# Allegro board HB1A-AAFM.brd (continued)
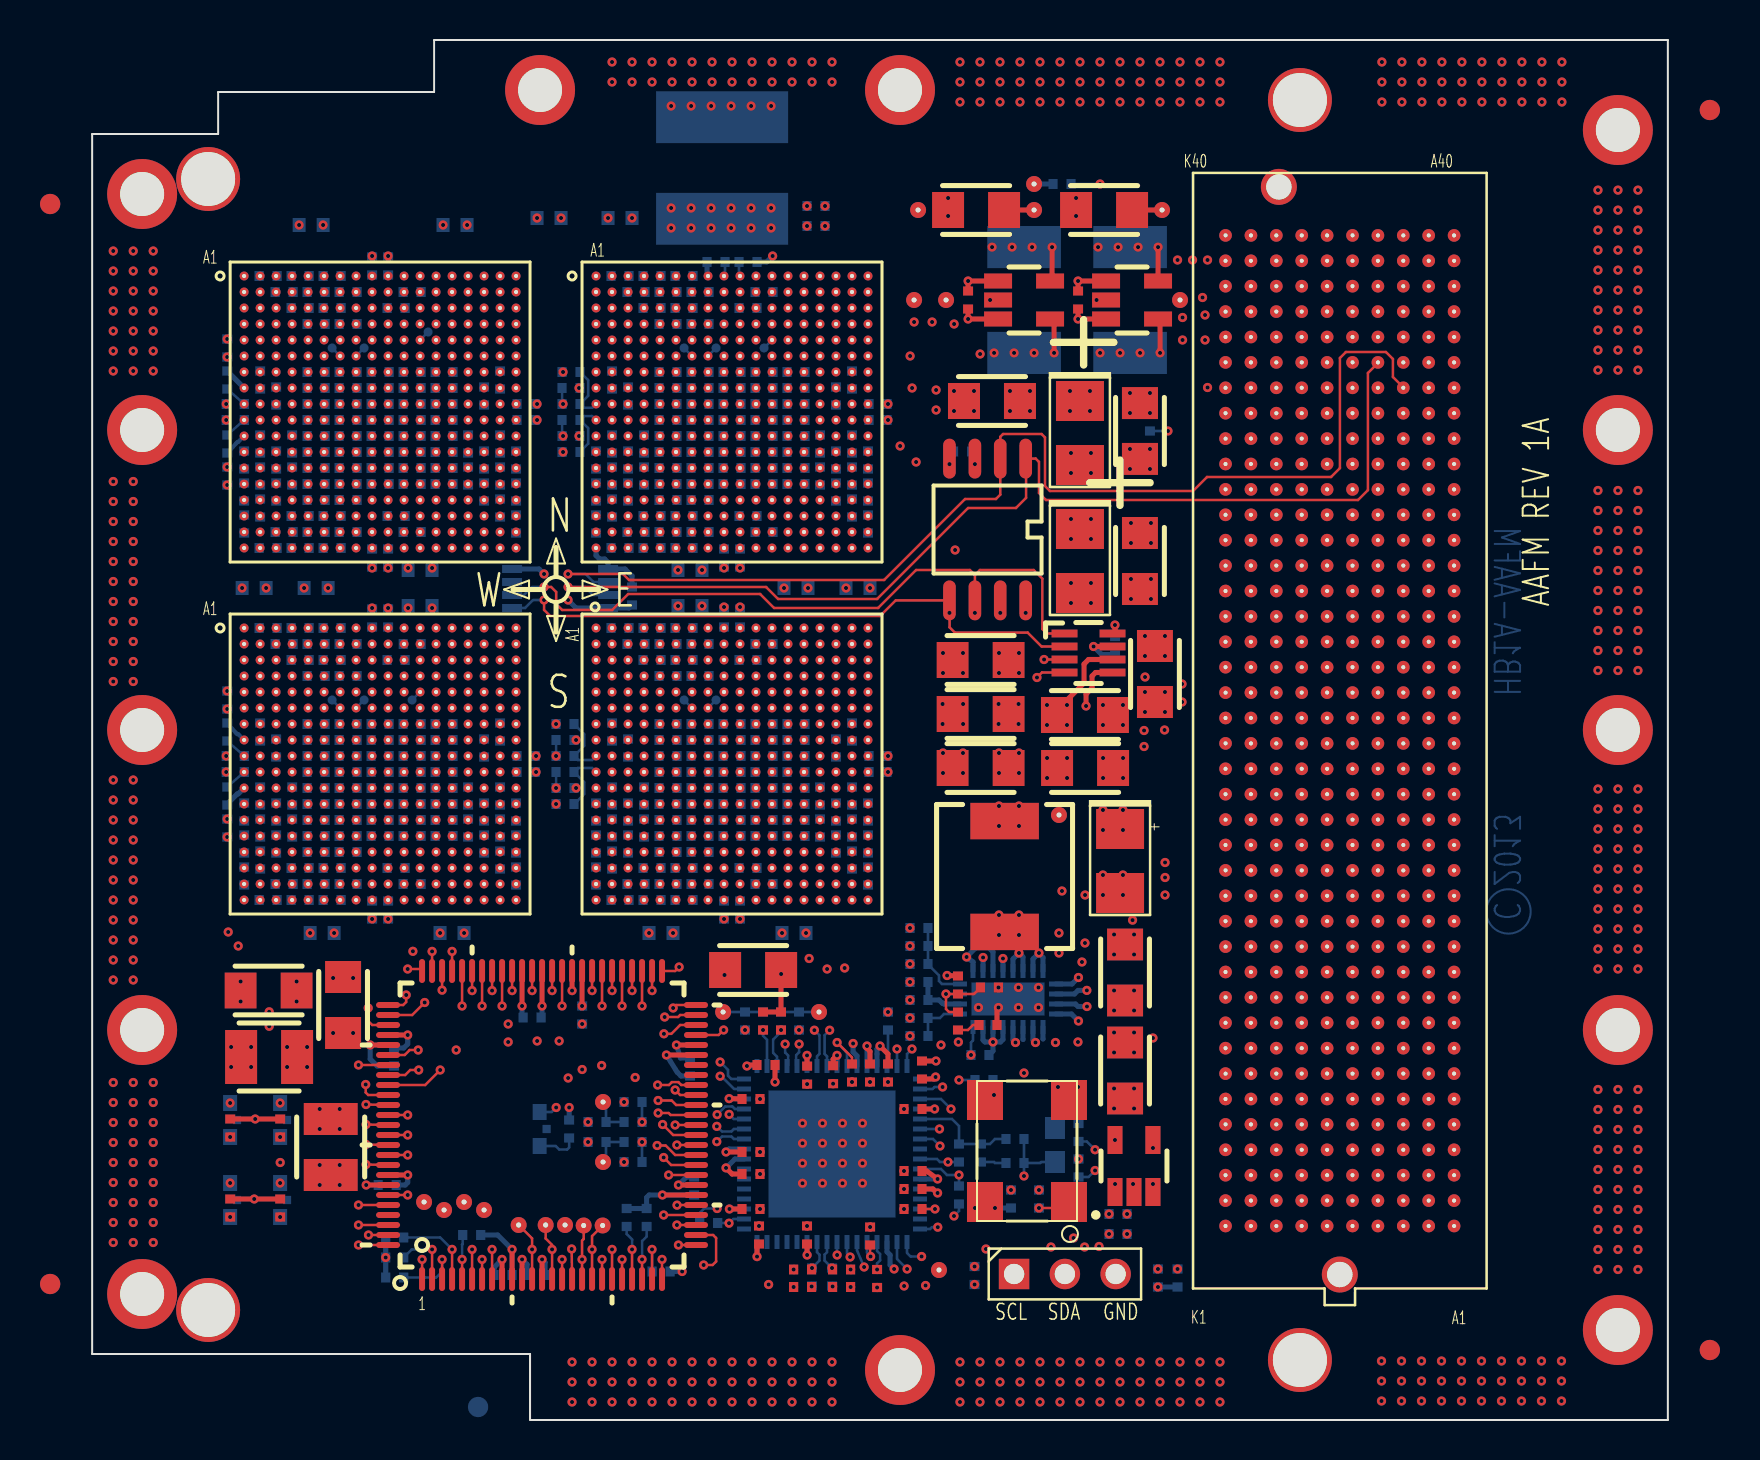
[diagram p0: board, top side]
## Routing (per net, layer and track width the routed paths; a pad name or vN(x,y) marks a point on that pad's centre or on a via; arc(x,y) is an arc through that point) (continued)
  BOTTOM w0.127: v1(37.25,8.25) 37.25,8.25 U12.24
CLK_CPLD_CTRL_4: length 43.1
  TOP w0.127: U9.99 v1(13.82,9.25)
  SIGNAL_L11-Y w0.089: v1(42.53,16.65) 40.03,14.15 40.03,8.9 41.16,7.78 41.16,7.25 v1(40.6,6.7)
  SIGNAL_L12-X w0.089: v1(40.6,6.7) 39.95,6.05 33.75,6.05 30.55,9.25 28.83,9.25 27.75,10.32 20.85,10.32 20.06,9.53 14.56,9.53 14.28,9.25 v1(13.82,9.25)
  BOTTOM w0.127: U12.2 42.03,16.55 42.13,16.65 v1(42.53,16.65)
CLK_CPLD_CTRL_5: length 43.8
  TOP w0.127: U9.100 v1(13.32,8.75)
  SIGNAL_L11-Y w0.089: v1(41.68,6.72) 41.68,7.67 41.88,7.88 41.88,8.7 41.35,9.23 41.35,14.55 41.8,15 42.4,15 v1(42.95,15.55)
  SIGNAL_L12-X w0.089: v1(13.32,8.75) 14.41,8.75 14.88,9.22 28.18,9.22 29.08,8.32 30.82,8.32 33.44,5.71 40.66,5.71 v1(41.68,6.72)
  BOTTOM w0.127: U12.3 42.45,16.05 v1(42.95,15.55)
CLK_DIR: length 13.5
  SIGNAL_L4-Y w0.114: P1.B1 66.1,8.96 56.64,8.96 55.23,7.55 v1(54.28,7.55)
COMP_1V0: length 4
  TOP w0.127: C19.1 44.1,21.3 R2.2 v1(42.7,21.3) 42.7,20.55 42.85,20.4 R5.2
  BOTTOM w0.127: U11.23 v1(42.7,21.3)
CPLD_0: length 2.7
  TOP w0.127: TP20.1 24.58,9.05 24.5,8.97 v1(24.5,8.03) U9.17
CPLD_1: length 2.9
  TOP w0.127: TP19.1 25,9.2 v1(25,8.53) U9.18
CPLD_CLK: length 18.4
  TOP w0.127: U9.62 v1(23,21.47)
  SIGNAL_L11-Y w0.089: v1(23,21.47) 23,20.03 23.78,19.25 24.91,19.25 26.16,18 26.16,14.5 27.91,12.75 29.5,12.75 31.25,11 v1(31.25,10.57)
  BOTTOM w0.127: R79.2 30.38,10.35 30.6,10.57 v1(31.25,10.57)
CPLD_GCLK_0: length 3
  TOP w0.127: TP23.1 22,9.08 v1(22,8.53) U9.12
CPLD_GCLK_1: length 2.8
  TOP w0.127: U9.14 v1(23,8.53) 23,8.75 22.68,9.07 TP22.1
CURRENT_VCORE: length 26.8
  TOP w0.127: U6.4 47.5,37.38 v1(47.25,37.12)
  SIGNAL_L14-Y w0.114: TP4.1 v1(50.23,56) 50.23,55.17 50.91,54.5 50.91,46 50.6,45.7 50.6,40.5 48.5,38.4 48.5,37.5 48.13,37.12 v1(47.25,37.12)
CURRENT_VIO: length 23.1
  TOP w0.127: U6.3 v1(47.6,38.02)
  SIGNAL_L14-Y w0.114: TP2.1 v1(44.91,56) 44.91,54.4 43.91,53.4 43.91,52.7 45,51.6 45,48.73 47.6,46.12 v1(47.6,38.02)
FMC_CLK0_M2C_N: length 36.1
  SIGNAL_L5-X w0.089: P1.H5 59.22,14.34 59.31,14.25 61.03,14.25 61.22,14.06 61.22,11.79 60.98,11.55 56.35,11.55 55.66,10.85 55.66,7.03 53.48,4.85 43.37,4.85 42.57,5.65 36.67,5.65 36.4,5.91 36.4,6.25 v1(35.98,6.67)
FMC_CLK0_M2C_P: length 35.9
  SIGNAL_L5-X w0.089: v1(37.03,6.67) 36.61,6.25 36.61,6 36.75,5.85 37.22,5.85 37.28,5.91 37.28,5.94 37.34,6 37.42,6 37.48,5.94 37.48,5.91 37.53,5.85 42.66,5.85 43.45,5.05 52.82,5.05 52.88,5.11 52.88,5.24 52.94,5.3 53.02,5.3 53.07,5.24 53.07,5.11 53.13,5.05 53.39,5.05 55.45,7.11 55.45,10.93 56.27,11.75 60.89,11.75 61.02,11.88 61.02,12.72 60.96,12.78 60.86,12.78 60.8,12.83 60.8,12.91 60.86,12.97 60.96,12.97 61.02,13.03 61.02,13.97 60.95,14.04 59.31,14.04 59.22,13.95 P1.H4
FMC_CLK1_M2C_N: length 14.4
  SIGNAL_L8-X w0.076: P1.G3 60.49,11.78 60.57,11.71 60.86,11.71 61.03,11.88 61.03,12.59 60.85,12.77 60.08,12.77 60.03,12.72 60.03,12.53 59.98,12.47 59.9,12.47 59.85,12.53 59.85,12.72 59.8,12.77 54.42,12.77 54.3,12.89 50.57,12.89 v1(50.16,12.47)
  BOTTOM w0.127: R306.1 49.83,12.15 v1(50.16,12.47)
FMC_CLK1_M2C_P: length 14.7
  SIGNAL_L8-X w0.076: P1.G2 60.49,11.43 60.57,11.5 60.95,11.5 61.23,11.79 61.23,12.67 60.93,12.97 54.5,12.97 54.38,13.1 50.57,13.1 v1(50.16,13.51)
  BOTTOM w0.127: v1(50.16,13.51) 49.74,13.93 R307.1
FMC_CLK2_BIDIR_N: length 5.2
  SIGNAL_L5-X w0.089: P1.K5 56.15,14.25 55.35,14.25 53.9,12.8 53.15,12.8 53.05,12.9 v1(53.05,13.6)
FMC_CLK2_BIDIR_P: length 5.2
  SIGNAL_L5-X w0.089: v1(53.05,11.8) 53.05,12.5 53.15,12.6 53.99,12.6 55.43,14.04 56.15,14.04 P1.K4
FMC_GA_0: length 58.8
  TOP w0.127: v1(23.8,42.3) 26.55,42.3 26.85,42 39.6,42 43.66,46.05 45.2,46.05 45.41,46.27 U5.2 45.41,49.16 45.55,49.3 47.48,49.3 47.65,49.13 47.65,46.7 47.9,46.45 55.05,46.45 55.75,47.15 61.95,47.15 62.4,47.59 62.4,53.1 62.7,53.4 64.7,53.4 65.05,53.05 65.05,52.15 65.57,51.63 P1.C34
  BOTTOM w0.127: U13.6 25.07,41.9 24.67,42.3 v1(23.8,42.3)
FMC_GA_1: length 55.1
  TOP w0.127: P1.D35 64.3,52.85 63.8,52.35 63.8,46.49 63.3,46 47.7,46 47.35,46.35 47.35,47.91 47.19,48.07 U5.1 46.69,47.47 46.7,47.45 46.7,46.1 46.2,45.6 43.8,45.6 39.25,41.05 34.3,41.05 33.7,41.65 v1(23.8,41.65)
  BOTTOM w0.127: U13.7 25.05,41.25 24.65,41.65 v1(23.8,41.65)
FMC_LA_N_12: length 48.7
  TOP w0.127: U9.29 v1(28.58,10.25)
  SIGNAL_L7-Y w0.089: v1(28.58,10.25) 29.78,10.25 30.65,11.12 32.16,11.12 32.32,10.96 43.36,10.96 45.03,12.62 47.16,12.62 49.16,14.62 53.41,14.62 55.03,16.25 55.03,27.25 55.66,27.88 55.66,28.73 56.16,29.23 60.01,29.23 P1.G16
FMC_LA_N_13: length 52.2
  TOP w0.127: U9.30 29.26,10.75 v1(29.25,10.74)
  SIGNAL_L7-Y w0.089: P1.D18 63.63,30.62 55.53,30.62 55.03,30.12 55.03,27.82 54.53,27.32 54.53,16.5 53.03,15 48.91,15 46.91,13 43.53,13 43.03,12.5 41.66,12.5 41.16,12 39.66,12 39.03,11.38 29.88,11.38 v1(29.25,10.74)
FMC_LA_N_14: length 54.9
  TOP w0.127: U9.33 v1(28.83,12.25)
  SIGNAL_L7-Y w0.089: v1(28.83,12.25) 30.15,12.25 30.4,12 32.03,12 32.78,12.75 34.16,12.75 34.59,13.19 34.64,13.23 42.51,13.23 42.78,13.5 46.03,13.5 48.28,15.75 50.16,15.75 50.53,16.12 52.66,16.12 54.16,17.62 54.16,27.37 54.05,27.48 54.05,31.39 54.66,32 65.01,32 P1.C19
FMC_LA_N_15: length 50.2
  TOP w0.127: U9.34 28.95,12.75 v1(28.58,13.12)
  SIGNAL_L7-Y w0.089: P1.H20 58.74,33.35 54.88,33.35 53.16,31.62 53.16,21.38 53.78,20.75 53.78,18 52.91,17.12 50.78,17.12 49.91,16.25 48.28,16.25 46.53,14.5 43.16,14.5 42.78,14.12 39.53,14.12 39.28,14.38 33.52,14.38 32.16,13.01 29.9,13.01 29.78,13.12 v1(28.58,13.12)
FMC_LA_N_16: length 69.8
  TOP w0.127: U9.16 v1(23.98,8.55)
  SIGNAL_L4-Y w0.127: P1.G19 61.1,31.95 61.1,16.88 60.93,16.7 55.53,16.7 53.55,14.72 53.55,10.95 52.7,10.1 52.7,6.65 51.68,5.62 43.63,5.62 43.2,6.05 43.2,8.38 42.68,8.9 35.1,8.9 34.53,8.32 34.53,6.6 34.2,6.28 25.25,6.28 23.98,7.55 v1(23.98,8.55)
FMC_LA_N_29: length 58.4
  TOP w0.127: U9.42 29.46,16.75 29.32,16.89 28.99,16.89 28.85,16.75 v1(28.28,16.75)
  SIGNAL_L11-Y w0.089: P1.G31 59.81,47.12 53.78,47.12 53.28,46.62 50.03,46.62 49.41,46 49.41,40.38 49.28,40.25 49.28,37.38 48.28,36.38 48.28,31.62 47.53,30.88 47.53,28.5 46.28,27.25 45.28,27.25 41.28,23.25 40.16,23.25 38.91,22 36.28,22 35.78,21.5 34.66,21.5 34.03,20.88 34.03,18.25 32.58,16.8 30.45,16.8 29.65,16 29.03,16 v1(28.28,16.75)
FMC_LA_N_30: length 57
  TOP w0.127: U9.47 31.33,19.25 v1(31.58,19.5)
  SIGNAL_L11-Y w0.089: v1(31.58,19.5) 31.03,20.05 31.03,22.62 31.65,23.25 32.78,23.25 34.28,24.75 38.91,24.75 44.66,30.5 44.66,41.25 47.41,44 47.41,51.88 48.28,52.75 55.41,52.75 56.16,53.5 58.6,53.5 P1.H35
FMC_LA_N_31: length 61
  TOP w0.127: U9.48 29.4,19.75 28.96,19.31 v1(28.59,19.31)
  SIGNAL_L11-Y w0.089: P1.G34 59.85,52.25 48.66,52.25 47.78,51.38 47.78,43.62 45.91,41.75 45.91,29.5 45.28,28.88 43.78,28.88 38.78,23.88 34.03,23.88 32.03,21.87 32.03,19.37 31.65,19 30.28,19 29.97,19.31 v1(28.59,19.31)
FMC_LA_N_32: length 83.4
  SIGNAL_L11-Y w0.089: J1.1 47.41,6 54.03,6 56.91,8.88 65.66,8.88 66.16,9.38 66.16,57 65.78,57.38 59.91,57.38 P1.H38
  SIGNAL_L15-X w0.114: J1.1 44.98,7.3 44.6,7.67 v1(44.13,7.67) 44.13,8.8 43.29,9.64 v1(42.29,9.64)
  BOTTOM w0.127: U12.16 41.91,9.55 42,9.64 v1(42.29,9.64)
FMC_LA_N_33: length 79.5
  SIGNAL_L11-Y w0.089: P1.G37 61.07,56 64.66,56 64.91,55.75 64.91,10.62 64.53,10.25 55.16,10.25 54.16,9.25 54.16,8.41 v1(53.3,7.55)
  SIGNAL_L15-X w0.114: v1(53.3,7.55) 51.85,6.1 49.83,6.1 48.64,7.29 J1.2 47.47,6.12 43.85,6.12 43.33,6.65 43.33,7.72 42.88,8.18 v1(41.48,8.18)
  BOTTOM w0.127: v1(41.48,8.18) 40.93,8.18 40.75,8.36 U12.17
FMC_LA_P_12: length 61.6
  TOP w0.127: v1(28.63,20.15) 29.3,20.15 29.4,20.25 U9.49
  SIGNAL_L7-Y w0.089: v1(28.63,20.15) 27.68,19.2 27.68,17.05 27.11,16.48 27.11,13.74 27.68,13.16 27.68,9.7 28.05,9.32 29.48,9.32 29.93,8.88 43.41,8.88 44.16,9.62 48.28,9.62 49.53,10.88 53.91,10.88 55.91,12.88 55.91,26.25 56.55,26.9 59.91,26.9 P1.G15
FMC_LA_P_13: length 53.5
  TOP w0.127: U9.28 v1(29.24,9.75)
  SIGNAL_L7-Y w0.089: v1(29.24,9.75) 30.53,9.75 31.03,9.25 41.53,9.25 41.53,9.25 43.15,9.25 43.91,10 48.03,10 49.28,11.25 53.41,11.25 55.53,13.38 55.53,27.18 56.43,28.07 63.3,28.07 63.73,28.5 63.73,29.45 P1.D17
FMC_LA_P_14: length 59.8
  TOP w0.127: v1(29.05,20.6) 29.2,20.75 U9.50
  SIGNAL_L7-Y w0.089: v1(29.05,20.6) 30.65,19 32.78,19 35.66,16.12 43.66,16.12 44.03,15.75 45.41,15.75 46.16,16.5 47.28,16.5 48.28,17.5 52.66,17.5 53.44,18.29 53.44,20.25 52.78,20.91 52.78,32.45 54.66,34.33 60.91,34.33 61.16,34.08 61.16,33.62 61.53,33.25 65.7,33.25 66.05,32.9 66.05,31.77 P1.C18
FMC_LA_P_15: length 41.8
  TOP w0.127: v1(29.35,22.65) 29.15,22.45 U9.51
  SIGNAL_L5-X w0.114: v1(29.35,22.65) 32.5,22.65 33.53,21.62 37.8,21.62 38.53,20.9 40.1,20.9 40.45,20.55 42.73,20.55 43.25,21.07 50.33,21.07 50.35,21.05 53.7,21.05 55.55,22.9 55.55,31.65 55.93,32.02 58.68,32.02 P1.H19
FMC_LA_P_16: length 65.7
  TOP w0.127: U9.38 v1(29.15,14.75)
  SIGNAL_L4-Y w0.127: v1(33.83,6.78) 33.83,7.17 33.8,7.19 33.8,8.75 34.3,9.25 43.13,9.25 43.58,8.8 43.58,6.33 43.91,6 51.53,6 52.33,6.8 52.33,10.9 52.55,11.12 52.55,15.72 54.8,17.98 59.53,17.98 59.85,18.3 59.85,30.66 P1.G18
  SIGNAL_L14-Y w0.127: v1(29.15,14.75) 29.65,14.75 30.3,14.1 30.3,10.3 v1(33.83,6.78)
FMC_LA_P_29: length 56.8
  TOP w0.127: v1(28.3,15.35) 28.83,15.35 28.93,15.25 U9.39
  SIGNAL_L11-Y w0.089: P1.G30 59.84,45.88 51.03,45.88 50.41,45.25 50.41,40.25 49.66,39.5 49.66,36.88 49.28,36.5 49.28,29.62 46.41,26.75 45.66,26.75 41.28,22.38 39.91,22.38 37.66,20.13 37.66,19.25 37.66,19.24 37.66,18 37.41,17.75 34.16,17.75 32.91,16.5 30.78,16.5 29.9,15.62 28.58,15.62 v1(28.3,15.35)
FMC_LA_P_30: length 61.6
  TOP w0.127: U9.40 29.2,15.75 28.98,15.97 v1(28.3,15.97)
  SIGNAL_L11-Y w0.089: v1(28.3,15.97) 27.78,16.5 27.78,17.38 28.16,17.75 29.03,17.75 29.9,18.62 31.9,18.62 32.26,18.98 32.26,21.48 34.28,23.5 39.16,23.5 43.91,28.25 45.91,28.25 46.78,29.12 46.78,37.25 47.21,37.68 47.21,42.18 48.16,43.12 48.16,49.12 48.66,49.62 50.03,49.62 51.13,50.73 54.63,50.73 55.03,51.12 58.73,51.12 P1.H34
FMC_LA_P_31: length 58.9
  TOP w0.127: U9.41 29.4,16.25 v1(29.15,16.5)
  SIGNAL_L11-Y w0.089: P1.G33 59.77,49.62 55.66,49.62 55.03,49 48.91,49 48.53,48.62 48.53,37.5 47.16,36.12 47.16,28.75 46.16,27.75 44.91,27.75 41.28,24.12 40.41,24.12 39.28,23 36.53,23 35.41,21.88 34.03,21.88 33.04,20.89 33.04,19.01 32.32,18.29 30.2,18.29 29.15,17.25 v1(29.15,16.5)
FMC_LA_P_32: length 78.6
  TOP w0.127: U9.35 29.15,13.25 28.68,13.72 v1(28.25,13.72)
  SIGNAL_L11-Y w0.089: v1(28.25,13.72) 28.71,13.72 29.31,13.12 29.65,13.12 30.57,12.21 32.24,12.21 32.91,12.88 34.28,12.88 35.03,13.62 35.03,15.38 36.03,16.38 40.16,16.38 41.39,17.61 41.39,19.11 43.16,20.88 43.16,23.25 44.66,24.75 48.43,24.75 49.08,25.4 49.08,27.3 50.95,29.17 50.95,33.26 50.94,33.27 50.94,37.91 51.54,38.51 51.54,42.51 51.91,42.88 54.53,42.88 55.03,43.38 63.28,43.38 63.66,43.75 63.66,54.38 63.28,54.75 59.89,54.75 P1.H37
FMC_LA_P_33: length 67.2
  TOP w0.127: U9.36 v1(29.24,13.75)
  SIGNAL_L11-Y w0.089: v1(29.24,13.75) 29.9,14.41 29.9,15 30.58,15.67 32.73,15.67 32.91,15.5 33.53,15.5 35.41,17.38 37.91,17.38 38.41,17.88 39.36,17.88 39.86,18.38 39.86,19.2 40.28,19.62 41.28,19.62 41.78,20.12 41.78,22.38 45.66,26.25 47.03,26.25 50.16,29.38 50.16,38 50.53,38.38 50.53,39.88 50.78,40.12 50.78,42.62 51.41,43.25 53.91,43.25 55.28,44.62 62.03,44.62 62.41,45 62.41,53.12 62.03,53.5 61.14,53.5 P1.G36
FMC_PG_C2M: length 52.3
  TOP w0.127: U9.64 v1(22,21.47)
  SIGNAL_L12-X w0.089: P1.D1 63.7,10.3 62.55,10.3 62.35,10.5 62.35,11.35 62.1,11.6 55.95,11.6 55.45,11.1 52.95,11.1 52.65,11.4 49.1,11.4 46.35,14.15 40.2,14.15 38.75,15.6 34.55,15.6 33.5,16.65 31,16.65 30.4,17.25 28.13,17.25 27.53,16.65 22.95,16.65 21.48,18.12 21.48,19.93 22,20.45 22,21.46 v1(22,21.47)
FMC_PG_M2C: length 38
  TOP w0.127: v1(28.53,14.78) 29.05,14.25 U9.37
  SIGNAL_L12-X w0.089: P1.F1 61.16,10.3 52.78,10.3 52.28,9.8 49.68,9.8 49.58,9.7 42.85,9.7 42.5,10.05 41.85,10.05 40.9,11 40.15,11 39.8,11.35 35.35,11.35 33.69,13.01 30.29,13.01 29.75,13.55 29.75,13.97 29.43,14.3 29,14.3 v1(28.53,14.78)
FMC_SCL: length 61.3
  TOP w0.127: 44.14,42.24 44.4,42.5 47.09,42.5 47.52,42.06 47.52,39.55 47.74,39.33 U6.1 ; 44.14,42.24 44.14,42.25 43.89,42.5 41.2,42.5 39.3,40.6 34.1,40.6 33.41,41.3 26.8,41.3 26,40.5 23.5,40.5 23.2,40.8 23.2,41.4 22.95,41.65 v1(22.6,41.65) ; 44.14,42.24 U5.6
  SIGNAL_L8-X w0.089: v1(44.14,40.36) 44.41,40.09 44.41,40.09 44.63,39.88 49.58,39.88 50.16,40.45 53.35,40.45 53.7,40.8 56.98,40.8 57.33,41.15 57.33,45.55 57.83,46.05 65.09,46.05 P1.C30
  BOTTOM w0.127: v1(22.6,41.65) 22,41.65 21.6,41.25 U13.2
FMC_SDA: length 61.1
  TOP w0.127: U6.2 47.48,38.67 46.78,39.37 43.14,39.37 42.88,39.63 42.88,40.35 v1(42.88,40.36) ; v1(22.6,41) 22.6,40.51 22.91,40.2 39.41,40.2 40.19,40.98 U5.5
  SIGNAL_L8-X w0.089: v1(42.88,40.36) 43.14,40.09 43.14,40.09 43.91,39.33 52.02,39.33 52.4,39.7 55.05,39.7 55.25,39.5 57,39.5 57.35,39.85 57.35,40.52 57.68,40.85 58.16,40.85 58.55,41.25 58.55,45.48 58.85,45.77 65.66,45.77 66.03,46.15 66.03,47.34 P1.C31
  BOTTOM w0.127: U13.1 21.65,40.6 22.05,41 v1(22.6,41)
FMC_TCK: length 73.2
  TOP w0.127: U9.24 v1(28,8.53)
  SIGNAL_L4-Y w0.114: v1(50.35,8.68) 50.35,9.3 50.25,9.41 50.25,10.8 50.6,11.15 50.6,25.45 51.16,26.01 51.16,28.35 53.85,31.05 53.85,33.92 54.05,34.12 54.05,37.27 54.91,38.12 54.91,43.85 55.68,44.62 63.66,44.62 P1.D29
  SIGNAL_L5-X w0.114: v1(28,8.53) 28.8,8.53 29.15,8.18 30.55,8.18 31.54,9.16 43.16,9.16 43.65,9.65 49.38,9.65 v1(50.35,8.68)
  BOTTOM w0.127: v1(28,8.53) 28,8.53 R299.1
FMC_TDI: length 79.9
  TOP w0.127: U9.23 v1(27.5,8.03)
  SIGNAL_L4-Y w0.114: P1.D30 63.55,45.77 51.33,45.77 50.48,44.92 50.48,36.85 51.1,36.23 51.1,35.52 50.78,35.2 50.1,35.2 49.6,34.7 49.6,31.07 49.25,30.73 49.25,25.02 50.16,24.12 50.16,16.13 49.73,15.71 49.73,9.4 49.63,9.3 v1(49.63,8.65)
  SIGNAL_L5-X w0.114: v1(27.5,8.03) 27.54,7.18 28.05,6.67 30.55,6.67 32.6,8.72 43.42,8.72 43.88,9.18 48.12,9.18 48.65,8.65 v1(49.63,8.65)
  BOTTOM w0.127: R298.1 27.73,9.18 27.5,8.95 27.5,8.04 v1(27.5,8.03)
FMC_TDO: length 78.9
  TOP w0.127: U9.25 v1(28.5,8.03)
  SIGNAL_L4-Y w0.114: v1(49.08,9.1) 49.08,10.95 48.78,11.25 48.78,24.52 47.78,25.52 47.78,31.12 48.28,31.62 48.28,36.15 49.48,37.35 49.48,46.38 49.98,46.88 54.88,46.88 56.43,48.42 58.25,48.42 58.58,48.1 58.58,47.5 58.85,47.23 63.73,47.23 P1.D31
  SIGNAL_L5-X w0.114: v1(28.5,8.03) 28.52,7.18 28.81,6.89 30.34,6.89 32.39,8.94 43.27,8.94 43.73,9.4 48.45,9.4 48.75,9.1 v1(49.08,9.1)
FMC_TMS: length 87.5
  TOP w0.127: U9.22 v1(27,8.53)
  SIGNAL_L4-Y w0.114: v1(47.95,8.65) 47.95,11.95 47.78,12.12 47.78,24.25 47.28,24.75 47.28,31.05 46.91,31.43 46.18,31.43 45.85,31.75 45.85,38.6 46.23,38.98 46.23,41.48 45.85,41.85 45.85,48.27 46.58,49 54.53,49 55.23,49.7 63.65,49.7 64.29,50.34 P1.D33
  SIGNAL_L5-X w0.114: v1(27,8.53) 27,6.65 27.2,6.45 30.98,6.45 31.65,7.12 32.53,7.12 32.75,7.35 34.3,7.35 34.53,7.12 41.28,7.12 42.66,8.5 43.55,8.5 44,8.95 47.65,8.95 v1(47.95,8.65)
  BOTTOM w0.127: R297.1 26.73,9.3 27,9.03 27,8.54 v1(27,8.53)
GBTCLK0_M2C_N: length 16.6
  SIGNAL_L14-Y w0.089: P1.D5 64.3,14.34 64.2,14.25 56.03,14.25 55.43,13.65 55.43,10.97 54.36,9.9 52.15,9.9 v1(51.75,10.3)
GBTCLK0_M2C_P: length 16.6
  SIGNAL_L14-Y w0.089: v1(51.75,9.3) 52.15,9.7 54.44,9.7 55.63,10.89 55.63,13.56 56.11,14.04 64.2,14.04 64.3,13.95 P1.D4
GBTCLK1_M2C_N: length 55.6
  SIGNAL_L7-Y w0.076: P1.B21 66.84,34.66 66.75,34.57 66.41,34.57 66.28,34.7 66.28,44.44 65.96,44.75 65.19,44.75 65.03,44.91 65.03,58.34 64.69,58.69 64.43,58.69 54.18,58.69 52.66,60.2 49.92,60.2 49.47,59.75 43.95,59.75 43.72,59.53 42.54,59.53 42.14,59.93 38.04,59.93 37.67,60.3 37.05,60.3 v1(36.65,60.7)
GBTCLK1_M2C_P: length 55.6
  SIGNAL_L7-Y w0.076: P1.B20 66.84,34.27 66.75,34.36 66.33,34.36 66.08,34.62 66.08,44.35 65.88,44.55 65.11,44.55 64.83,44.83 64.83,58.26 64.61,58.48 54.09,58.48 52.58,60 50,60 49.55,59.55 44.03,59.55 43.8,59.33 42.45,59.33 42.05,59.73 37.95,59.73 37.58,60.1 37.05,60.1 v1(36.65,59.7)
LED1: length 26
  TOP w0.127: U9.19 v1(25.5,8.03)
  SIGNAL_L12-X w0.089: 6.88,15.85 v1(6.9,15.85)
  SIGNAL_L14-Y w0.114: v1(6.9,15.85) 7.38,15.37 7.38,10.78 10.68,7.47 24.95,7.47 25.5,8.02 v1(25.5,8.03)
LED2: length 25.7
  TOP w0.127: U9.20 v1(26,8.53)
  SIGNAL_L12-X w0.089: v1(26,8.53) 26,7.72 25.45,7.17 12.93,7.17 10.58,9.53 10.58,14.67 v1(9.4,15.85)
LED3: length 24
  TOP w0.127: U9.21 v1(26.5,8.03)
  SIGNAL_L12-X w0.089: v1(26.5,8.03) 26.5,7.34 25.95,6.8 11.2,6.8 6.91,11.1 6.91,11.85 v1(6.9,11.85)
LED4: length 22.1
  TOP w0.127: U9.26 v1(29.32,8.75)
  SIGNAL_L14-Y w0.114: v1(9.4,11.85) 11,10.25 14.25,10.25 15.38,9.12 28.93,9.12 29.3,8.75 v1(29.32,8.75)
LED5: length 17.7
  TOP w0.127: v1(30.58,7.75) 31.03,7.75 31.2,7.92 31.2,9.1 31.05,9.25 U9.27
  SIGNAL_L15-X w0.114: v1(30.58,7.75) 30.58,10.55 29.88,11.25 29.2,11.25 28.68,11.78 24.43,11.78 23.2,13 v1(23.2,15.62)
  BOTTOM w0.127: v1(23.2,15.62) 22.98,15.4 D2.C
LEFT_CCLK_STUB_N: length 2
  BOTTOM w0.127: TP12.1 R80.1 R73.2
LEFT_CCLK_STUB_P: length 1.9
  BOTTOM w0.127: TP10.1 R66.1 R68.2
LL_CCLK_N: length 1.1
  BOTTOM w0.127: R294.1 7.6,32.4
LL_CCLK_P: length 1.1
  BOTTOM w0.127: 7.6,33.2 R289.1
LL_CSBI_XID0: length 17.2
  TOP w0.127: U9.77 16,20.25 v1(16.63,20.88)
  SIGNAL_L8-X w0.089: U7.F12 16.41,35.6 16.8,35.2 16.8,24.8 16.5,24.5 16.5,21.6 16.63,21.48 v1(16.63,20.88)
LL_CSBO_YID0: length 24
  TOP w0.127: U9.83 15.66,17.25 15.91,17.5 v1(16.33,17.5)
  SIGNAL_L8-X w0.089: v1(16.33,17.5) 15.66,17.5 14.98,18.18 13.7,18.18 13.41,18.48 13.41,18.93 13.58,19.1 13.58,19.52 13.3,19.8 13.3,21.5 13.6,21.8 13.6,35.8 13.8,36 14.41,36 14.8,36.4 U7.E10
LL_FLAG_DSP: length 37.9
  TOP w0.127: U9.8 v1(20,8.53)
  SIGNAL_L7-Y w0.089: v1(16.04,23.43) 15.49,23.43 15.08,23.02 15.08,17.8 20.25,12.62 20.25,9.25 20,8.99 v1(20,8.53)
  SIGNAL_L15-X w0.114: v1(16.04,23.43) 15.38,24.1 14.79,24.1 14.63,24.25 13.7,24.25 12.8,25.16 12.8,32.67 12.93,32.81 14.2,32.81 14.41,33.02 14.41,34.3 14.52,34.41 14.96,34.41 15.2,34.66 15.2,34.97 15.42,35.2 15.88,35.2 16.02,35.33 16.02,35.76 16.4,36.15 U7.E12
  BOTTOM w0.127: TP29.1 U7.E12
LL_LL_WW_DATA_N_0: length 10.8
  SIGNAL_L15-X w0.114: U7.U1 7.6,26.5 7.7,26.4 10.2,26.4 10.41,26.6 10.41,33.59 U7.H4
LL_LL_WW_DATA_N_1: length 10.3
  SIGNAL_L5-X w0.114: 9.6,34.4 9.2,34.8 U7.G3 9.6,34.4 9.6,34.4 ; 9.6,34.4 10.23,34.4 10.41,34.23 10.41,28.2 10.2,28 8.8,28 U7.T2
LL_LL_WW_DATA_N_2: length 11.1
  SIGNAL_L15-X w0.114: U7.R3 9.2,28.39 8.8,28 7.41,28 7.16,28.25 7.16,33.62 7.03,33.74 6.82,33.74 6.7,33.86 6.7,34.1 6.82,34.22 7.03,34.22 7.16,34.34 7.16,34.95 7.41,35.2 7.8,35.2 8,35.4 U7.F2
LL_LL_WW_DATA_N_3: length 10.6
  SIGNAL_L5-X w0.114: U7.P4 10,29.2 9.6,28.8 7.41,28.8 7.2,29 7.2,36.01 U7.E1
LL_LL_WW_DATA_N_4: length 12.1
  SIGNAL_L12-X w0.089: U7.F4 10,35.6 10.39,35.22 10.99,35.22 11.2,35 11.2,28.2 11,28 8,28 U7.R1
LL_LL_WW_DATA_N_5: length 11.7
  SIGNAL_L12-X w0.089: U7.E3 9.2,36.4 8.8,36 6.3,36 6.2,35.9 6.2,29.9 6.5,29.6 8,29.6 U7.P2
LL_LL_WW_DATA_N_6: length 10.4
  SIGNAL_L5-X w0.114: U7.D2 8.41,37.2 8.8,36.8 8.8,36.2 9,36 10.2,36 10.41,35.8 10.41,35.4 10.2,35.2 9,35.2 8.8,35 8.8,30.1 8.91,30 U7.N3
LL_LL_WW_DATA_N_7: length 13.3
  SIGNAL_L7-Y w0.089: U7.M4 9.59,30.39 9.59,29.84 9.34,29.6 7.3,29.6 7.16,29.75 7.16,30.27 6.3,31.12 6.3,37.38 6.93,38 U7.C1
LL_LL_WW_DATA_P_0: length 11
  SIGNAL_L15-X w0.114: U7.T1 8.2,27.2 9.41,27.2 9.6,27.4 9.6,31.8 9.41,32 9,32 8.8,32.2 8.8,34.2 9,34.4 9.41,34.4 10,34.8 U7.G4
LL_LL_WW_DATA_P_1: length 9.5
  SIGNAL_L15-X w0.114: U7.R2 8.08,28.4 8,28.48 8,30.2 8.2,30.4 8.6,30.4 8.8,30.6 8.8,31 8.6,31.2 8.2,31.2 8,31.4 8,35 8.2,35.2 8.8,35.2 9.2,35.59 U7.F3
LL_LL_WW_DATA_P_2: length 11.1
  SIGNAL_L14-Y w0.114: U7.E2 8,36 6.55,36 6.19,35.63 6.19,31.41 7.18,30.43 7.18,29.77 7.35,29.6 8.8,29.6 U7.P3
LL_LL_WW_DATA_P_3: length 10.6
  SIGNAL_L5-X w0.114: U7.N4 9.6,29.6 8.2,29.6 8,29.8 8,36.6 7.8,36.8 7.3,36.8 7.2,36.9 7.2,37.1 7.3,37.2 U7.D1
LL_LL_WW_DATA_P_4: length 12.1
  SIGNAL_L12-X w0.089: U7.E4 10,36.4 9.6,36 9.6,34.6 9.8,34.4 10.2,34.4 10.41,34.2 10.41,29 10.2,28.8 7.3,28.8 7.2,28.9 7.2,29.1 7.3,29.2 U7.P1
LL_LL_WW_DATA_P_5: length 11.9
  SIGNAL_L14-Y w0.114: U7.N2 8.7,30 8.8,30.09 8.8,31 8.6,31.2 8.2,31.2 8,31.4 8,31.8 8.2,32 8.6,32 8.8,32.2 8.8,32.61 8.6,32.8 8.2,32.8 8,33 8,33.4 8.2,33.6 8.6,33.6 8.8,33.8 8.8,34.2 8.6,34.4 8.2,34.4 8,34.6 8,35 8.2,35.2 8.6,35.2 8.8,35.4 8.8,37.4 8.97,37.57 9.14,37.57 9.2,37.5 9.2,37.2 U7.D3
LL_LL_WW_DATA_P_6: length 10.5
  SIGNAL_L7-Y w0.089: U7.C2 8,37.6 7.41,37.6 7.2,37.4 7.2,30.6 7.41,30.4 8.8,30.4 U7.M3
LL_LL_WW_DATA_P_7: length 13.2
  SIGNAL_L7-Y w0.089: U7.B1 7.6,38.8 8,39.2 8,40.45 8.13,40.58 8.47,40.58 8.59,40.7 8.59,40.93 8.71,41.05 8.95,41.05 9.07,40.93 9.07,40.7 9.19,40.58 9.43,40.58 9.6,40.4 9.6,32 10,31.61 U7.L4
LL_LL_WW_FRAME_N: length 9.7
  SIGNAL_L8-X w0.089: U7.M2 8,30.41 8,28.2 8.2,28 10.2,28 10.41,28.2 10.41,32 10,32.4 U7.K4
LL_LL_WW_FRAME_P: length 9.7
  SIGNAL_L8-X w0.089: U7.J4 10,33.2 9.6,32.8 9.6,31.4 9.41,31.2 7.41,31.2 7.2,31 7.2,30.62 7.05,30.48 6.31,30.48 6.08,30.7 6.08,31.55 6.53,32 8,32 U7.L2
LL_LL_WW_LCLK_N: length 8.4
  SIGNAL_L4-Y w0.114: U7.N1 7.2,29.6 6.5,29.6 6.3,29.8 6.3,31.08 6.42,31.2 6.68,31.2 6.8,31.32 6.8,31.56 6.68,31.68 6.42,31.68 6.3,31.8 6.3,34.5 6.6,34.8 U7.G1
LL_LL_WW_LCLK_P: length 8.5
  SIGNAL_L14-Y w0.114: U7.M1 7.3,31.1 7.3,31.11 7.2,31.2 7.2,31.8 7.41,32 7.8,32 8,32.2 8,32.6 7.8,32.8 7.41,32.8 7.2,33 7.2,33.4 7.41,33.6 7.8,33.6 8,33.8 8,34.2 7.8,34.4 6.7,34.4 6.6,34.5 6.6,34.7 6.7,34.8 7.1,34.8 7.2,34.9 7.2,35.2 U7.F1
LL_LL_WW_RD_WAIT_N: length 9.2
  SIGNAL_L12-X w0.089: U7.K2 8.4,32.41 8,32.01 8,31.4 7.8,31.2 7.41,31.2 7.2,31.4 7.2,33.48 7.32,33.6 7.8,33.6 8,33.4 8,33 8.2,32.8 9.41,32.8 9.6,33 9.6,33.4 9.41,33.6 8.8,33.6 U7.H2
LL_LL_WW_RD_WAIT_P: length 8.9
  SIGNAL_L4-Y w0.114: U7.G2 8.02,34.41 7.34,34.41 7.16,34.23 7.16,30.57 7.33,30.4 7.88,30.4 8,30.52 8,32.8 U7.J2
LL_LL_WW_WR_WAIT_N: length 11.2
  SIGNAL_L8-X w0.089: U7.L3 9.2,31.61 8.8,32 8.8,34.2 9,34.4 12.6,34.4 12.8,34.2 12.8,33.8 12.6,33.6 9.6,33.6 U7.J3
LL_LL_WW_WR_WAIT_P: length 11.1
  SIGNAL_L7-Y w0.089: U7.H3 8.8,34.39 8.8,36.65 8.66,36.8 8.13,36.8 8,36.67 8,31.38 8.2,31.18 8.56,31.18 8.8,31.43 8.8,32 9.2,32.39 U7.K3
LL_LR_EW_DATA_N_0: length 29.2
  SIGNAL_L5-X w0.114: U7.G15 18.4,34.4 18.4,33 18.6,32.8 20.6,32.8 20.8,32.6 20.8,30.6 20.6,30.4 19.42,30.4 19.2,30.18 19.2,29.8 19.4,29.6 20.6,29.6 20.8,29.4 20.8,29 20.6,28.8 19.4,28.8 19.2,28.6 19.2,28.2 19.4,28 20.6,28 20.8,27.8 20.8,27.4 20.6,27.2 19.4,27.2 19.2,27 19.2,25.8 19.85,25.15 19.85,24.2 20.07,23.98 24.78,23.98 25.03,24.23 25.78,24.23 26.1,24.55 26.1,24.85 25.6,25.35 25.6,26.4 U8.U1
LL_LR_EW_DATA_N_1: length 29
  SIGNAL_L5-X w0.114: U7.F16 19.8,35.2 20,35 20,34.6 20.2,34.4 21.45,34.4 21.8,34.75 21.8,35.66 22.55,36.4 22.75,36.4 22.85,36.3 22.85,35.84 22.3,35.3 22.3,33.95 21.8,33.45 21.8,31.4 22.05,31.15 22.05,30.95 21.8,30.7 21.8,30.45 21.92,30.33 21.93,30.33 22.05,30.21 22.05,29.97 21.93,29.85 21.92,29.85 21.8,29.73 21.8,29.49 21.92,29.37 21.93,29.37 22.05,29.25 22.05,29.01 21.93,28.89 21.92,28.89 21.8,28.77 21.8,28.53 21.92,28.41 21.93,28.41 22.05,28.29 22.05,28.05 21.93,27.93 21.92,27.93 21.8,27.81 21.8,27.57 21.92,27.45 21.93,27.45 22.05,27.33 22.05,27.09 21.93,26.97 21.92,26.97 21.8,26.85 21.8,26.61 21.92,26.49 21.93,26.49 22.05,26.37 22.05,26.13 21.93,26.01 21.92,26.01 21.8,25.89 21.8,25.55 21.8,25.55 21.95,25.4 22.4,25.4 22.62,25.18 22.62,24.61 22.73,24.5 22.9,24.5 23,24.6 23,25.2 23.08,25.28 23.3,25.28 23.4,25.18 23.4,24.6 23.5,24.5 23.7,24.5 23.8,24.6 23.8,25.2 23.88,25.28 24.1,25.28 24.2,25.18 24.2,24.6 24.3,24.5 24.49,24.5 24.58,24.58 24.58,27.68 24.9,28 25.6,28 U8.T2
LL_LR_EW_DATA_N_2: length 28.4
  SIGNAL_L5-X w0.114: U7.E17 20.8,36 21.5,36 22.61,37.11 22.61,38.85 23,39.24 23.36,39.24 23.71,38.89 23.71,36.31 23.35,35.95 23.35,35.55 22.81,35.01 22.81,30.86 22.5,30.55 22.5,26.41 22.7,26.2 23.91,26.2 24.14,26.43 24.14,28.01 24,28.15 24,30 24.1,30.1 24.41,30.1 24.55,29.95 24.55,29.15 24.9,28.8 26.4,28.8 U8.R3
LL_LR_EW_DATA_N_3: length 29.3
  SIGNAL_L5-X w0.114: U7.D18 21.8,37.2 22.17,37.57 22.17,39.03 22.81,39.68 23.58,39.68 24.15,39.1 24.15,35.95 23.81,35.61 23.81,31.44 24.04,31.21 24.62,31.21 24.62,31.2 24.63,31.2 24.8,31.38 24.8,36.6 25,36.8 25.4,36.8 25.6,36.6 25.6,29.8 25.8,29.6 27.2,29.6 U8.P4
LL_LR_EW_DATA_N_4: length 29.2
  SIGNAL_L5-X w0.114: U8.R1 24.8,28.4 24.63,28.57 24.46,28.57 24.36,28.46 24.36,25.76 24.1,25.5 22.9,25.5 22.28,26.12 22.28,30.75 22.59,31.06 22.59,31.3 22.48,31.41 22.17,31.41 22.05,31.53 22.05,31.77 22.17,31.89 22.48,31.89 22.59,32 22.59,35.19 23.1,35.7 23.1,36.1 23.49,36.49 23.49,38.79 23.27,39.02 23.09,39.02 22.83,38.76 22.83,37.02 21.59,35.77 21.59,35.38 21.4,35.2 20.2,35.2 20,35.4 20,35.44 20,36.6 19.8,36.8 19.2,36.8 U7.E15
LL_LR_EW_DATA_N_5: length 29.3
  SIGNAL_L5-X w0.114: U7.D16 20,37 20.2,36.8 21.9,36.8 22.39,37.29 22.39,38.94 22.91,39.46 23.49,39.46 23.93,39.01 23.93,36.14 23.59,35.8 23.59,32.69 23.5,32.6 23.13,32.6 23.03,32.5 23.03,32.1 23.13,32 23.5,32 23.59,31.91 23.59,30.54 22.75,29.7 22.75,26.85 22.95,26.65 23.77,26.65 23.92,26.8 23.92,27.67 23.8,27.79 23.22,27.79 23.1,27.91 23.1,28.15 23.22,28.27 23.55,28.27 23.7,28.42 23.7,30 23.78,30.08 23.78,30.09 24.24,30.55 24.56,30.55 24.81,30.3 24.81,29.75 24.96,29.6 25.4,29.6 25.6,29.4 U8.P2
